# Altium PCB GEM_AFE_128.PcbDoc (part 16 of 18)
Units mm, origin at the board's own origin, x right, y up, seen from the top; angles counter-clockwise.
Board outline 112 x 81.5 mm, 8 copper layers (Top Layer, L1, L2, L3, L4, L5, L6, Bottom Layer), stack 1.52 mm thick; 1880 components, 1258 nets, 6287 pads, 2369 vias.
Unrouted connection lines stored in the file: 4.
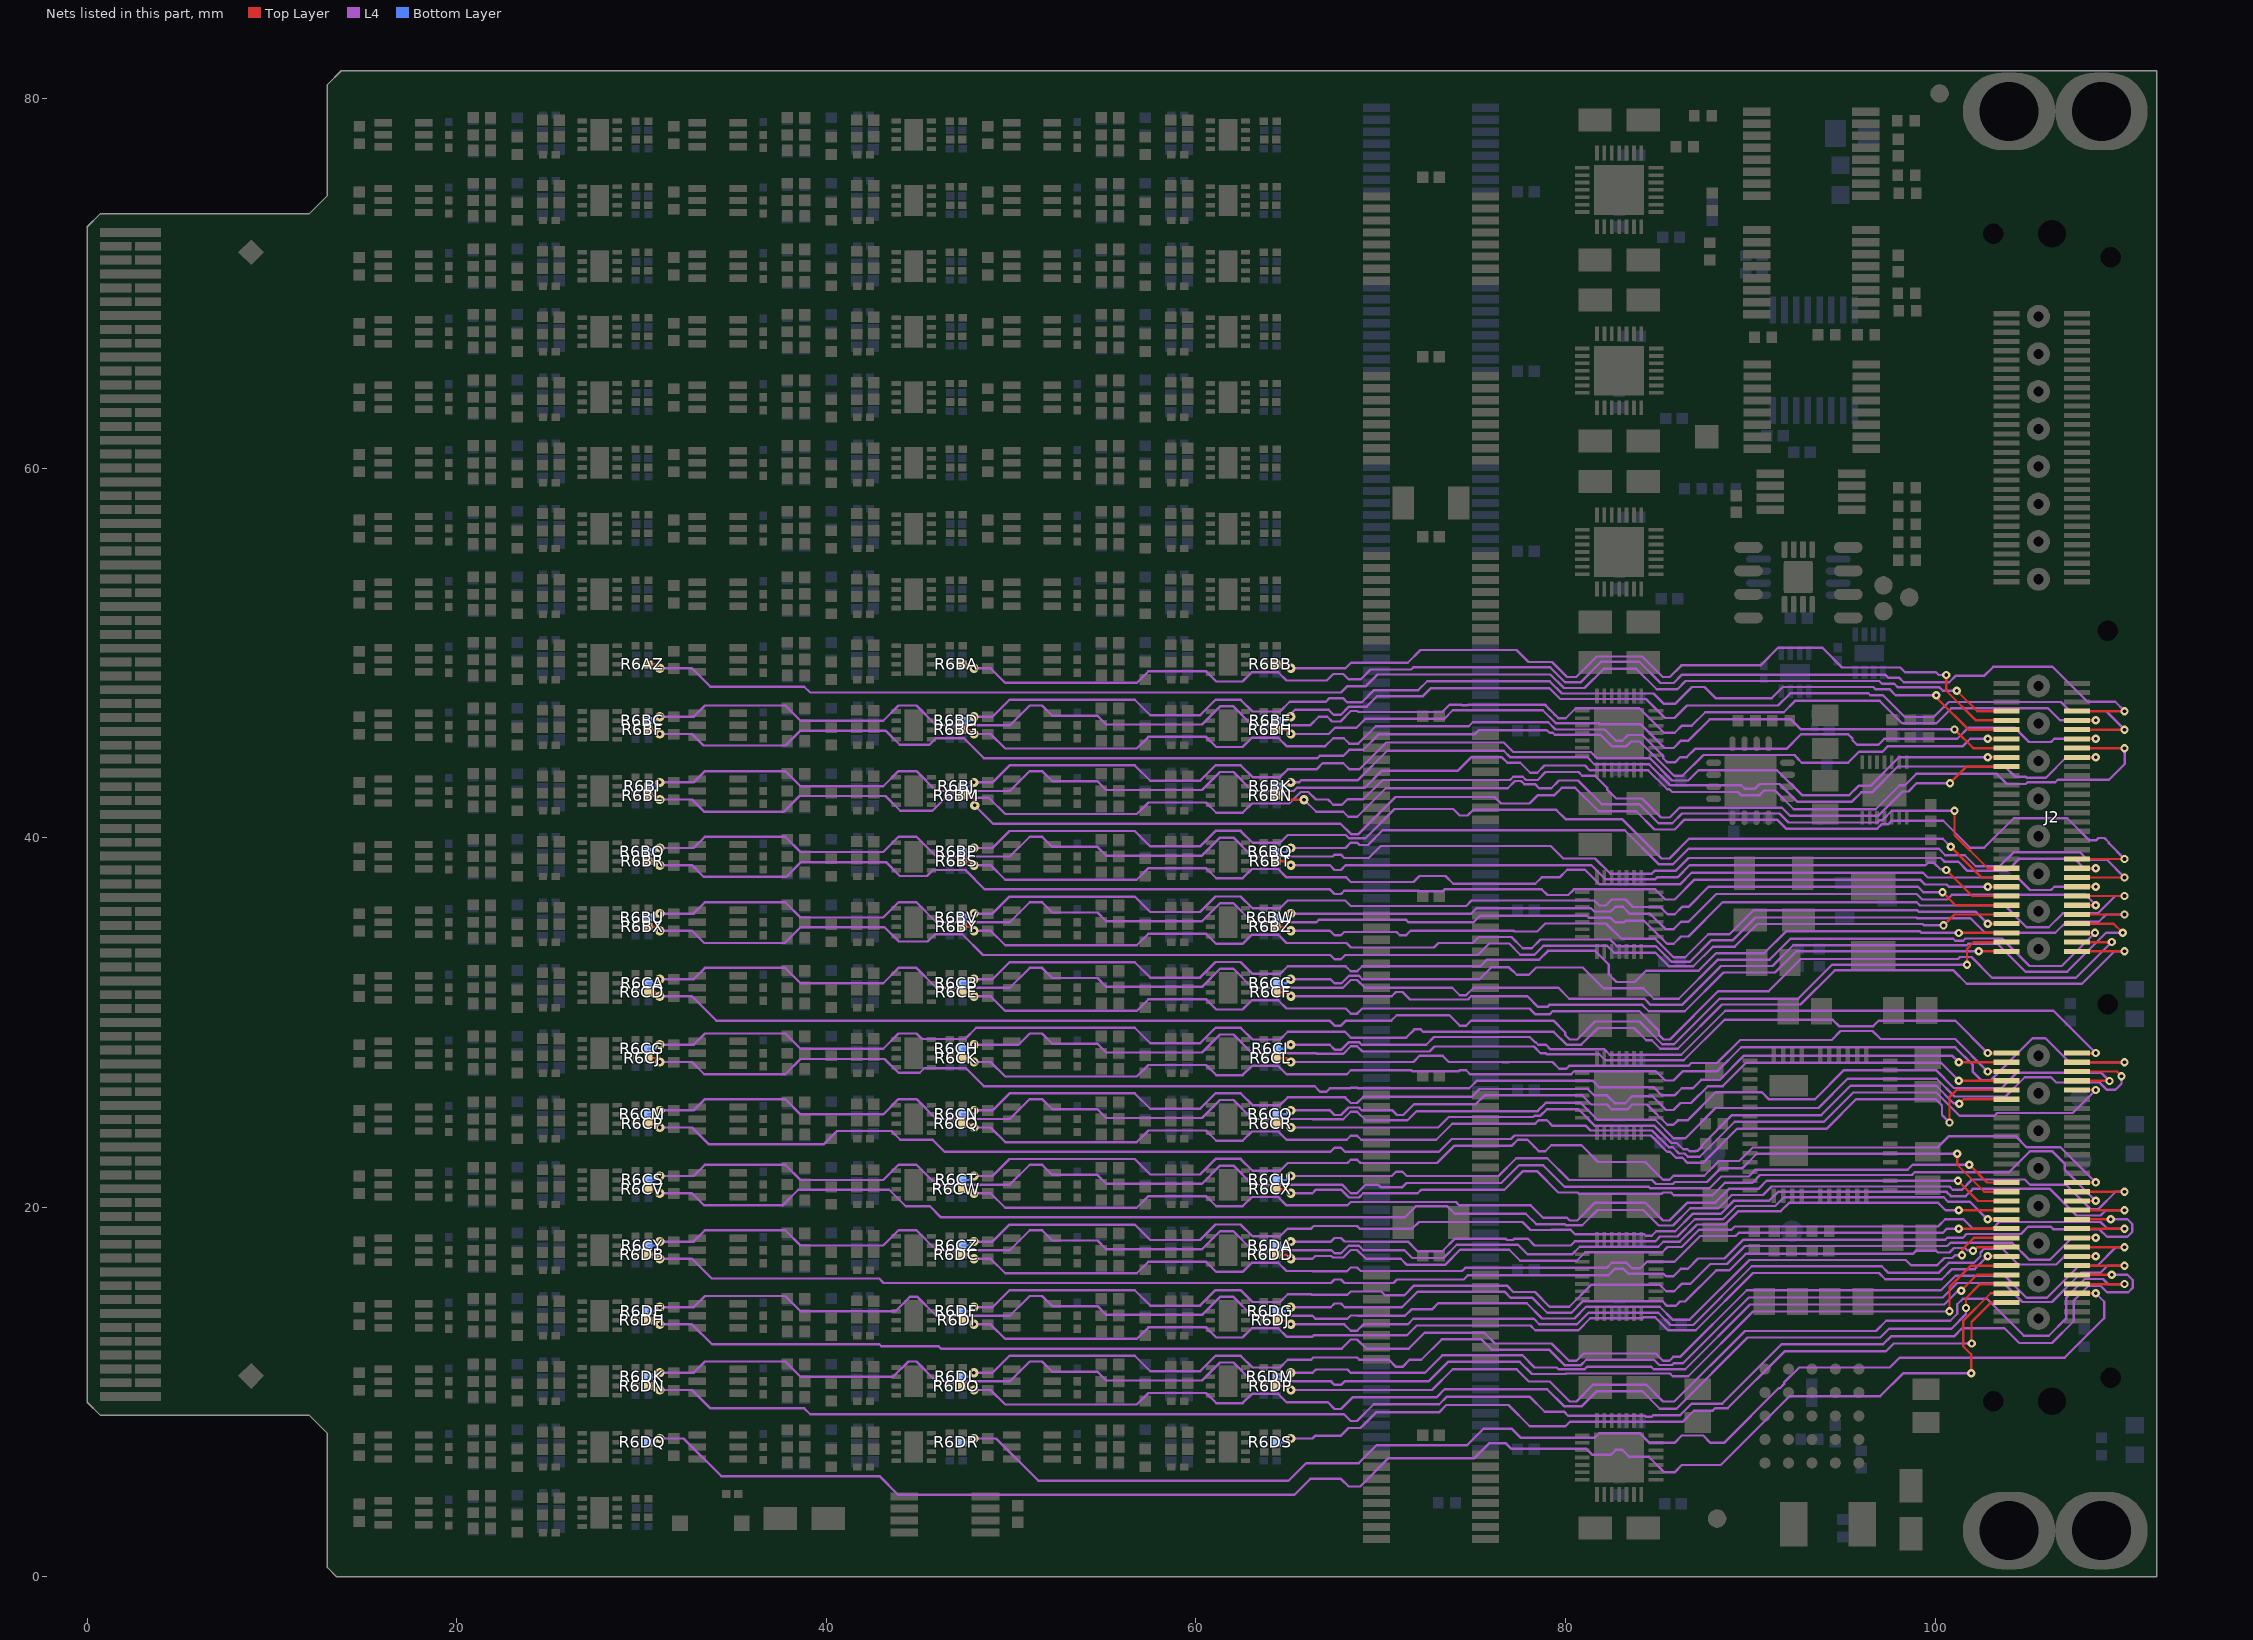
[diagram p22: the nets of this part, all layers, seen from the top]

## Via types
v1: diameter 0.5, hole 0.2, Top Layer to Bottom Layer, tented both sides, 1849 vias
v2: diameter 0.45, hole 0.2, Top Layer to Bottom Layer, tented both sides, 506 vias
v3: diameter 0.45, hole 0.2, Top Layer to Bottom Layer, 14 vias

## Nets (pads, with @x,y where several pads share a name; then routed paths per layer and width w, separated by ;. In a path a pad name is that pad's centre, name@x,y a point inside that pad or via, vN(x,y) a via of type N, cw(c..) or ccw(c..) an arc to the next point about the centre after c; other vN are vias at no path point) (continued)
OUTP51: J2.67 R6AZ.2 | length 76.6
  Top Layer w0.127: R6AZ.2@30.361,49.374 30.736,49.374 30.949,49.161 v1(30.987,49.161) ; v2(101.172,47.949) 102.278,46.844 J2.67@103.861,46.844
  L4 w0.127: v1(30.987,49.161) 32.731,49.161 33.726,48.167 38.808,48.167 39.125,47.85 67.85,47.85 68.2,48.2 69.2,48.2 69.831,48.831 79.176,48.831 79.913,48.093 81.031,48.093 82.069,49.132 83.829,49.132 84.93,48.032 86.05,48.032 86.492,48.474 96.976,48.474 97.121,48.329 97.782,48.329 97.982,48.129 100.237,48.129 100.416,47.949 v2(101.172,47.949)
OUTP52: J2.68 R6BA.2 | length 70.3
  Top Layer w0.127: R6BA.2@47.361,49.374 47.736,49.374 47.949,49.161 v1(47.987,49.161) ; J2.68@107.671,46.844 v2(110.25,46.844)
  L4 w0.127: v1(47.987,49.161) 48.889,49.161 49.675,48.375 56.8,48.375 57.425,49 60.55,49 61.1,48.45 62.525,48.45 63.025,48.95 64.45,48.95 64.9,48.5 67.075,48.5 67.425,48.85 67.975,48.85 68.25,48.575 68.925,48.575 69.45,49.1 71.65,49.1 71.761,49.211 79.167,49.211 79.978,48.4 80.8,48.4 81.912,49.512 83.987,49.512 85.129,48.37 85.851,48.37 86.301,48.819 94.079,48.819 94.088,48.81 94.412,48.81 94.421,48.819 97.281,48.819 97.444,48.656 98.05,48.656 98.297,48.41 100.762,48.41 101.102,48.75 102.65,48.75 103.15,49.25 106.35,49.25 108.25,47.35 109.744,47.35 v2(110.25,46.844)
OUTP53: J2.69 R6BB.2 | length 44.3
  Top Layer w0.127: R6BB.2@64.511,49.374 64.886,49.374 65.099,49.161 v1(65.137,49.161) ; v2(100.6,48.8) 100.6,47.948 102.204,46.344 J2.69@103.861,46.344
  L4 w0.127: v1@64.987,49.161 68.086,49.161 68.39,49.465 71.465,49.465 72.15,50.15 77.35,50.15 78,49.5 79.263,49.5 80.073,48.69 80.573,48.69 81.683,49.8 84.15,49.8 85.26,48.69 85.64,48.69 86.269,49.319 90.548,49.319 91.508,50.28 93.89,50.28 94.966,49.204 98.11,49.204 98.364,48.95 100.044,48.95 100.194,48.8 v2(100.6,48.8)
OUTP54: J2.70 R6BC.2 | length 86.2
  Top Layer w0.127: J2.70@107.671,46.344 108.69,46.344 v2(108.692,46.346)
  L4 w0.127: v1(30.982,46.539) 32.815,46.539 33.427,47.15 37.775,47.15 38.6,46.325 43.075,46.325 43.9,47.15 44.875,47.15 45.95,46.075 49.929,46.075 51.004,47.15 51.675,47.15 52.225,46.6 54.675,46.6 55.15,46.125 60.325,46.125 61.3,47.1 62.025,47.1 63.05,46.075 66.175,46.075 66.643,46.543 67.107,46.543 67.362,46.288 67.815,46.288 68.378,46.851 68.722,46.851 68.778,46.795 73.326,46.795 73.728,47.197 74.351,47.197 74.388,47.16 74.712,47.16 74.749,47.197 78.879,47.197 78.935,47.142 78.935,47.133 79.163,46.904 79.173,46.904 79.373,46.703 79.373,46.697 79.602,46.469 79.608,46.469 79.621,46.456 80.006,46.456 80.55,47 84,47 85.329,45.671 85.905,45.671 86.296,46.062 86.828,46.062 87.554,46.788 91.802,46.788 92.414,47.4 97,47.4 98.212,46.188 100.066,46.188 100.878,47 106.108,47 106.758,46.35 v2@108.692,46.35
  Bottom Layer w0.127: R6BC.2@30.356,46.326 30.732,46.326 30.944,46.539 v1(30.982,46.539)
OUTP55: J2.71 R6BD.2 | length 61.2
  Top Layer w0.127: v2(100.063,47.708) 100.063,47.621 100.169,47.515 100.169,47.48 101.806,45.844 J2.71@103.861,45.844
  L4 w0.127: v1(47.982,46.539) 48.989,46.539 49.909,47.459 56.691,47.459 57.525,46.625 60.224,46.625 61.064,47.466 62.415,47.466 63.056,46.825 64.55,46.825 65.079,47.354 67.029,47.354 67.225,47.55 67.95,47.55 68.183,47.317 68.967,47.317 69.632,47.982 72.032,47.982 72.516,48.466 79.139,48.466 79.805,47.8 84.75,47.8 85.299,47.251 85.951,47.251 86.847,48.147 87.522,48.147 88.119,47.55 91.153,47.55 91.75,48.147 96.653,48.147 96.765,48.035 97.531,48.035 97.859,47.708 v2(100.063,47.708)
  Bottom Layer w0.127: R6BD.2@47.356,46.326 47.732,46.326 47.944,46.539 v1(47.982,46.539)
OUTP56: J2.72 R6BE.2 | length 52.1
  Top Layer w0.127: J2.72@107.671,45.844 v2(110.25,45.844)
  L4 w0.127: v1@64.982,46.539 65.364,46.921 67.179,46.921 67.45,46.65 67.849,46.65 68.287,47.088 69.238,47.088 69.806,47.656 72.288,47.656 72.723,48.091 79.121,48.091 79.712,47.5 84.35,47.5 85.379,46.471 85.891,46.471 86.569,47.15 91.499,47.15 92.164,47.816 96.384,47.816 96.492,47.708 97.17,47.708 98.352,46.526 99.926,46.526 100.738,47.338 106.812,47.338 107.3,46.85 109.244,46.85 v2(110.25,45.844)
  Bottom Layer w0.127: R6BE.2@64.506,46.326 64.882,46.326 65.094,46.539 v1(65.132,46.539)
OUTP57: J2.73 R6BF.2 | length 78.1
  Top Layer w0.127: R6BF.2@30.361,45.824 30.736,45.824 30.949,45.611 v1(30.987,45.611) ; v2(102.84,45.346) 102.842,45.344 J2.73@103.861,45.344
  L4 w0.127: v1(30.987,45.611) 32.731,45.611 33.357,44.986 37.786,44.986 38.575,45.775 43.225,45.775 43.975,45.025 45.575,45.025 45.925,45.375 47.45,45.375 48.525,44.3 66.575,44.3 66.7,44.425 67.975,44.425 68.3,44.75 69.05,44.75 69.9,45.6 75.098,45.6 75.315,45.817 78.983,45.817 79.127,45.673 79.302,45.673 79.41,45.565 81.885,45.565 82.5,44.95 83.3,44.95 83.55,45.2 84.018,45.2 85.874,43.344 86.335,43.344 87.46,44.468 92.382,44.468 92.556,44.294 92.556,44.284 92.785,44.055 95.29,44.055 95.885,44.65 97.15,44.65 97.45,44.95 101.5,44.95 101.896,45.346 v2(102.84,45.346)
OUTP58: J2.74 R6BG.2 | length 67.4
  Top Layer w0.127: R6BG.2@47.361,45.824 47.736,45.824 47.949,45.611 v1(47.987,45.611) ; J2.74@107.671,45.344 108.69,45.344 v2(108.692,45.346)
  L4 w0.127: v1(47.987,45.611) 48.889,45.611 49.675,44.825 56.8,44.825 57.425,45.45 60.55,45.45 61.1,44.9 62.525,44.9 63.025,45.4 64.45,45.4 64.9,44.95 67,44.95 67.425,45.375 68,45.375 68.3,45.075 68.775,45.075 69.731,46.031 74.268,46.031 74.278,46.021 74.622,46.021 74.632,46.031 74.759,46.031 74.973,46.245 79.065,46.245 79.462,45.847 82.124,45.847 82.728,45.243 83.072,45.243 83.379,45.55 84.15,45.55 85.286,44.414 85.286,44.3 85.514,44.071 85.921,44.071 86.2,44.35 86.55,44.35 87,44.8 91.95,44.8 92.745,45.595 95.29,45.595 95.529,45.357 95.529,45.268 95.767,45.03 96.93,45.03 97.25,45.35 101.2,45.35 101.804,45.954 104.296,45.954 105.077,45.173 106.273,45.173 106.446,45.346 v2(108.692,45.346)
OUTP59: J2.75 R6BH.2 | length 42.2
  Top Layer w0.127: R6BH.2@64.511,45.824 64.886,45.824 65.099,45.611 v1(65.137,45.611) ; v2(101.05,45.85) 102.056,44.844 J2.75@103.861,44.844
  L4 w0.127: v1@64.987,45.611 v1(65.137,45.611) 67.186,45.611 67.525,45.95 68.687,45.95 69.161,46.424 73.432,46.424 73.9,46.892 78.77,46.892 79.466,46.197 81.774,46.197 81.828,46.143 84.057,46.143 85.349,44.851 85.851,44.851 86.251,45.251 86.651,45.251 87.8,46.4 92.2,46.4 92.745,45.855 v2@101.05,45.855
OUTP60: J2.76 R6BI.2 | length 90.4
  Top Layer w0.127: J2.76@107.671,44.844 v2(110.25,44.844)
  L4 w0.127: v1(30.982,42.989) 32.815,42.989 33.427,43.6 37.775,43.6 38.6,42.775 43.075,42.775 43.9,43.6 44.875,43.6 45.95,42.525 49.929,42.525 51.004,43.6 51.675,43.6 52.225,43.05 54.675,43.05 55.15,42.575 60.325,42.575 61.3,43.55 62.025,43.55 63.05,42.525 65.297,42.525 65.472,42.7 69.15,42.7 70.075,43.625 74.175,43.625 74.891,44.341 76.559,44.341 76.85,44.05 77.55,44.05 78.094,43.506 78.472,43.506 78.865,43.899 81.051,43.899 81.3,43.65 84.466,43.65 85.499,42.617 85.621,42.617 85.771,42.467 89.333,42.467 89.5,42.3 90.5,42.3 90.75,42.55 91.335,42.55 92.348,41.538 96.788,41.538 98.088,42.838 98.367,42.838 98.979,43.45 103.336,43.45 103.886,42.9 104.9,42.9 105,43 106.5,43 106.636,43.136 109.408,43.136 110.258,43.986 v2@110.258,44.836
  Bottom Layer w0.127: R6BI.2@30.356,42.776 30.732,42.776 30.944,42.989 v1(30.982,42.989)
OUTP61: J2.77 R6BJ.2 | length 61.5
  Top Layer w0.127: v2(102.84,44.346) 102.842,44.344 J2.77@103.861,44.344
  L4 w0.127: v1(47.982,42.989) 48.989,42.989 49.909,43.909 56.691,43.909 57.525,43.075 60.224,43.075 61.064,43.916 62.415,43.916 63.056,43.275 64.55,43.275 64.969,43.694 66.519,43.694 66.85,44.025 67.975,44.025 68.3,43.7 68.85,43.7 70.3,45.15 76.65,45.15 77.167,44.633 81.36,44.633 81.689,44.304 84.551,44.304 85.762,43.093 86.643,43.093 87.2,43.65 91.44,43.65 92.79,42.3 95.35,42.3 95.85,42.8 96.5,42.8 98.046,44.346 v2(102.84,44.346)
  Bottom Layer w0.127: R6BJ.2@47.356,42.776 47.732,42.776 47.944,42.989 v1(47.982,42.989)
OUTP62: J2.78 R6BK.2 | length 49
  Top Layer w0.127: J2.78@107.671,44.344 v2(108.692,44.346) v2(108.692,44.346)
  L4 w0.127: v1@64.982,42.989 65.577,42.989 65.7,43.112 68.762,43.112 70.35,44.7 76.65,44.7 76.995,44.355 81.17,44.355 81.552,43.973 84.522,43.973 85.649,42.846 85.716,42.846 85.723,42.839 89.511,42.839 89.7,42.65 90.25,42.65 90.5,42.9 91.575,42.9 92.525,41.95 95.5,41.95 96,42.45 96.576,42.45 97.976,43.85 103.765,43.85 104.315,43.3 104.9,43.3 104.955,43.245 105.995,43.245 107.096,44.346 v2(108.692,44.346)
  Bottom Layer w0.127: R6BK.2@64.506,42.776 64.882,42.776 65.094,42.989 v1(65.132,42.989)
OUTP63: J2.79 R6BL.2 | length 79.9
  Top Layer w0.127: R6BL.2@30.361,42.274 30.736,42.274 30.949,42.061 v1(30.987,42.061) ; v2(100.8,42.95) 101.694,43.844 J2.79@103.861,43.844
  L4 w0.127: v1(30.987,42.061) 32.731,42.061 33.401,41.391 37.691,41.391 38.55,42.25 43.2,42.25 44,41.45 45.735,41.45 46.444,42.159 48.791,42.159 49.675,41.275 56.8,41.275 57.425,41.9 60.55,41.9 61.1,41.35 62.525,41.35 63.025,41.85 65.05,41.85 65.67,42.47 66.08,42.47 66.489,42.061 67.139,42.061 67.425,41.775 67.9,41.775 68.2,42.075 69.055,42.075 70.102,43.122 77,43.122 77.17,43.293 77.683,43.293 77.854,43.122 78.491,43.122 78.917,43.549 80.701,43.549 80.9,43.35 81.6,43.35 82.25,42.7 82.25,42.609 82.738,42.121 84.129,42.121 85.161,41.089 85.639,41.089 86.171,41.621 91.709,41.621 92.155,41.175 96.901,41.175 98.226,42.5 98.55,42.5 99,42.95 v2(100.8,42.95)
OUTP64: J2.100 R6BM.2 | length 71.7
  Top Layer w0.127: R6BM.2@47.361,42.274 47.861,42.274 48.026,42.109 48.026,41.748 v1(48.031,41.744) ; J2.100@107.671,38.844 v2(110.25,38.844)
  L4 w0.127: v1(48.031,41.744) 49.025,40.75 67.825,40.75 68.386,40.189 68.789,40.189 70.8,42.2 76.15,42.2 76.506,41.844 78.046,41.844 78.502,42.3 79.4,42.3 79.8,42.7 80.518,42.7 81.795,41.423 83.827,41.423 84.807,40.443 85.907,40.443 86.439,40.975 91.441,40.975 91.929,40.487 96.863,40.487 97.094,40.718 97.44,40.718 97.636,40.913 100.437,40.913 101.9,39.45 102.65,39.45 104.25,41.05 107.15,41.05 108.35,39.85 108.707,39.85 108.838,39.981 109.162,39.981 109.39,39.753 109.39,39.704 v2(110.25,38.844)
OUTP65: J2.101 R6BN.2 | length 44.7
  Top Layer w0.127: R6BN.2@64.511,42.274 64.886,42.274 65.11,42.05 65.845,42.05 v1(65.85,42.055) ; v2(101.05,41.45) 101.05,40.136 102.842,38.344 J2.101@103.861,38.344
  L4 w0.127: v1(65.85,42.055) 66.505,41.4 67.975,41.4 68.245,41.13 68.73,41.13 70.274,42.674 76.875,42.674 77.265,43.064 77.588,43.064 77.759,42.893 78.348,42.893 78.568,42.674 79.224,42.674 79.639,43.089 80.679,43.089 81.956,41.812 83.988,41.812 85.025,40.775 85.769,40.775 86.301,41.307 91.579,41.307 92.066,40.819 96.872,40.819 96.999,40.947 97.147,40.947 97.655,41.455 101.045,41.455 v2(101.05,41.45)
OUTP66: J2.102 R6BO.2 | length 84.7
  Top Layer w0.127: J2.102@107.671,38.344 108.69,38.344 v2(108.692,38.346)
  L4 w0.127: v1(30.982,39.439) 32.815,39.439 33.427,40.05 37.775,40.05 38.6,39.225 43.075,39.225 43.9,40.05 44.875,40.05 45.95,38.975 49.929,38.975 51.004,40.05 51.675,40.05 52.225,39.5 54.675,39.5 55.15,39.025 60.325,39.025 61.3,40 62.025,40 63.05,38.975 67.399,38.975 67.503,39.079 67.847,39.079 68.027,38.899 68.6,38.899 ; 68.601,38.9 69.35,38.9 69.999,39.549 79.201,39.549 79.877,38.873 81.592,38.873 82.414,38.051 84.66,38.051 84.809,38.2 85.95,38.2 86.65,38.9 100.3,38.9 100.5,38.7 101.25,38.7 101.75,38.2 103.895,38.2 104.559,38.864 107.536,38.864 108.054,38.346 v2(108.692,38.346)
  Bottom Layer w0.127: R6BO.2@30.356,39.226 30.732,39.226 30.944,39.439 v1(30.982,39.439)
OUTP67: J2.103 R6BP.2 | length 61.5
  Top Layer w0.127: v2(100.85,39.5) 102.506,37.844 J2.103@103.861,37.844
  L4 w0.127: v1(47.982,39.439) 48.989,39.439 49.909,40.359 56.691,40.359 57.525,39.525 60.224,39.525 61.064,40.366 62.415,40.366 63.056,39.725 64.55,39.725 64.969,40.144 68.107,40.144 68.291,39.961 69.161,39.961 70.75,41.55 73.921,41.55 74.277,41.194 74.694,41.194 75,41.5 79.5,41.5 80,41 83.058,41 85.185,38.873 85.621,38.873 86.685,39.938 100.412,39.938 v2(100.85,39.5)
  Bottom Layer w0.127: R6BP.2@47.356,39.226 47.732,39.226 47.944,39.439 v1(47.982,39.439)
OUTP68: J2.104 R6BQ.2 | length 51.4
  Top Layer w0.127: J2.104@107.671,37.844 v2(110.25,37.844)
  L4 w0.127: v1@64.982,39.439 v1(65.132,39.439) 68.087,39.439 68.378,39.729 68.722,39.729 68.85,39.601 69.301,39.601 70.1,40.4 83.2,40.4 85.05,38.55 85.8,38.55 86.65,39.4 100.2,39.4 100.55,39.05 101.6,39.05 102.197,38.453 103.489,38.453 104.236,39.2 107.85,39.2 108.25,38.8 109.294,38.8 v2(110.25,37.844)
  Bottom Layer w0.127: R6BQ.2@64.506,39.226 64.882,39.226 65.094,39.439 v1(65.132,39.439)
OUTP69: J2.105 R6BR.2 | length 76.4
  Top Layer w0.127: R6BR.2@30.361,38.724 30.736,38.724 30.949,38.511 v1(30.987,38.511) ; v2(102.84,37.346) 102.842,37.344 J2.105@103.861,37.344
  L4 w0.127: v1(30.987,38.511) 32.731,38.511 33.368,37.875 37.825,37.875 38.625,38.675 43.225,38.675 43.975,37.925 45.45,37.925 45.775,38.25 47.525,38.25 48.575,37.2 67.252,37.2 67.503,36.949 67.847,36.949 68.027,37.129 72.064,37.129 72.102,37.092 73.345,37.092 73.454,37.2 78.715,37.2 79.015,36.899 80.149,36.899 80.45,37.2 84.85,37.2 85.396,36.654 85.904,36.654 86.979,37.729 99.183,37.729 99.445,37.467 100.619,37.467 100.741,37.346 v2(102.84,37.346)
OUTP70: J2.106 R6BS.2 | length 65.4
  Top Layer w0.127: R6BS.2@47.361,38.724 47.736,38.724 47.949,38.511 v1(47.987,38.511) ; J2.106@107.671,37.344 108.69,37.344 v2(108.692,37.346)
  L4 w0.127: v1(47.987,38.511) 48.889,38.511 49.675,37.725 56.8,37.725 57.425,38.35 60.55,38.35 61.1,37.8 62.525,37.8 63.025,38.3 64.45,38.3 64.9,37.85 68.127,37.85 68.378,37.599 71.779,37.599 72.102,37.922 73.506,37.922 73.927,37.5 78.363,37.5 78.713,37.85 79.677,37.85 80.093,38.266 81.05,38.266 81.846,37.471 86.191,37.471 86.82,38.1 99.337,38.1 99.599,37.838 104.462,37.838 105.137,37.163 106.263,37.163 106.446,37.346 v2(108.692,37.346)
OUTP71: J2.107 R6BT.2 | length 41.2
  Top Layer w0.127: R6BT.2@64.511,38.724 64.886,38.724 65.099,38.511 v1(65.137,38.511) ; v2(100.6,38.25) 102.006,36.844 J2.107@103.861,36.844
  L4 w0.127: v1@64.987,38.511 v1(65.137,38.511) 67.241,38.511 67.503,38.249 67.847,38.249 68.109,38.511 81.389,38.511 82.143,37.757 84.857,37.757 84.95,37.85 86.053,37.85 86.703,38.5 99.469,38.5 99.602,38.633 99.945,38.633 100.297,38.281 100.569,38.281 v2(100.6,38.25)
OUTP72: J2.108 R6BU.2 | length 88.8
  Top Layer w0.127: J2.108@107.671,36.844 v2(110.25,36.844)
  L4 w0.127: v1(30.982,35.889) 32.815,35.889 33.427,36.5 37.775,36.5 38.6,35.675 43.075,35.675 43.9,36.5 44.875,36.5 45.95,35.425 49.929,35.425 51.004,36.5 51.675,36.5 52.225,35.95 54.675,35.95 55.15,35.475 60.325,35.475 61.3,36.45 62.025,36.45 63.05,35.425 66.525,35.425 66.647,35.547 71.372,35.547 71.494,35.425 75.025,35.425 75.373,35.773 81.145,35.773 81.251,35.667 82.433,35.667 82.674,35.426 83.176,35.426 83.25,35.5 84.241,35.5 85.487,34.254 85.854,34.254 86.25,34.65 86.65,34.65 88.5,36.5 99,36.5 99.177,36.323 103.777,36.323 104.95,35.15 106.15,35.15 106.9,35.9 108.8,35.9 109.744,36.844 v2(110.25,36.844)
  Bottom Layer w0.127: R6BU.2@30.356,35.676 30.732,35.676 30.944,35.889 v1(30.982,35.889)
OUTP73: J2.109 R6BV.2 | length 60
  Top Layer w0.127: v2(100.4,37.05) 101.106,36.344 J2.109@103.861,36.344
  L4 w0.127: v1(47.982,35.889) 48.989,35.889 49.909,36.809 56.691,36.809 57.525,35.975 60.224,35.975 61.064,36.816 62.415,36.816 63.056,36.175 64.55,36.175 64.969,36.594 68.083,36.594 68.378,36.299 74.622,36.299 74.917,36.594 81.556,36.594 81.824,36.326 82.172,36.326 82.496,36.65 83.25,36.65 83.65,36.25 85.118,36.25 85.514,35.854 85.905,35.854 86.305,36.254 86.654,36.254 87.737,37.337 99.063,37.337 99.35,37.05 v2(100.4,37.05)
  Bottom Layer w0.127: R6BV.2@47.356,35.676 47.732,35.676 47.944,35.889 v1(47.982,35.889)
OUTP74: J2.110 R6BW.2 | length 47.5
  Top Layer w0.127: J2.110@107.671,36.344 108.69,36.344 v2(108.692,36.346)
  L4 w0.127: v1@64.982,35.889 v1(65.132,35.889) 74.897,35.889 75.196,36.188 81.362,36.188 81.55,36 82.45,36 82.706,36.256 83.094,36.256 83.467,35.883 84.567,35.883 85.4,35.05 85.85,35.05 86.25,35.45 86.65,35.45 88.152,36.952 98.998,36.952 99.3,36.65 100.65,36.65 100.906,36.906 108.132,36.906 v2(108.692,36.346)
  Bottom Layer w0.127: R6BW.2@64.506,35.676 64.882,35.676 65.094,35.889 v1(65.132,35.889)
OUTP75: J2.111 R6BX.2 | length 77.8
  Top Layer w0.127: R6BX.2@30.361,35.174 30.736,35.174 30.949,34.961 v1(30.987,34.961) ; v2(100.45,35.25) 101.044,35.844 J2.111@103.861,35.844
  L4 w0.127: v1(30.987,34.961) 32.731,34.961 33.393,34.3 37.75,34.3 38.6,35.15 43.15,35.15 43.925,34.375 45.475,34.375 45.875,34.775 47.35,34.775 48.475,33.65 67.268,33.65 67.502,33.417 67.845,33.417 68.079,33.65 75.25,33.65 75.869,34.269 76.948,34.269 77.552,33.665 78.314,33.665 78.799,34.15 82.25,34.15 82.633,33.768 84.863,33.768 85.592,33.039 86.91,33.039 87.971,34.1 89.146,34.1 90.373,35.326 99.324,35.326 99.4,35.25 v2(100.45,35.25)
OUTP76: J2.112 R6BY.2 | length 69.8
  Top Layer w0.127: R6BY.2@47.361,35.174 47.736,35.174 47.949,34.961 v1(47.987,34.961) ; J2.112@107.671,35.844 v2(110.25,35.844)
  L4 w0.127: v1(47.987,34.961) 48.889,34.961 49.675,34.175 56.8,34.175 57.425,34.8 60.55,34.8 61.1,34.25 62.525,34.25 63.025,34.75 64.45,34.75 64.9,34.3 68.143,34.3 68.386,34.057 72.883,34.057 73.126,34.3 74.981,34.3 75.303,34.622 77.077,34.622 77.683,34.016 78.166,34.016 78.639,34.489 82.41,34.489 82.779,34.12 84.895,34.12 85.735,33.281 86.731,33.281 87.903,34.453 89.053,34.453 90.279,35.679 99,35.679 99.039,35.64 101.91,35.64 102.7,34.85 106.5,34.85 107.1,35.45 108.85,35.45 109.244,35.844 v2(110.25,35.844)
OUTP77: J2.113 R6BZ.2 | length 42.3
  Top Layer w0.127: R6BZ.2@64.511,35.174 64.886,35.174 65.099,34.961 v1(65.137,34.961) ; v2(102.84,35.346) 102.842,35.344 J2.113@103.861,35.344
  L4 w0.127: v1@64.987,34.961 v1(65.137,34.961) 67.257,34.961 67.502,34.717 67.845,34.717 68.026,34.897 70.848,34.897 71.028,34.717 71.372,34.717 71.617,34.961 77.191,34.961 77.228,34.924 78.472,34.924 78.898,35.35 81.822,35.35 81.828,35.356 82.194,35.356 83.024,34.526 84.847,34.526 85.846,33.527 86.477,33.527 87.716,34.766 88.871,34.766 90.181,36.076 99.024,36.076 99.118,35.982 102.204,35.982 v2(102.84,35.346)
OUTP78: J2.114 R6CA.2 | length 89.6
  Top Layer w0.127: J2.114@107.671,35.344 109.652,35.344 v2(110.146,34.85)
  L4 w0.127: v1(30.982,32.339) 32.815,32.339 33.427,32.95 37.775,32.95 38.6,32.125 43.075,32.125 43.9,32.95 44.875,32.95 45.95,31.875 49.929,31.875 51.004,32.95 51.675,32.95 52.225,32.4 54.675,32.4 55.15,31.925 60.325,31.925 61.3,32.9 62.025,32.9 63.05,31.875 67.955,31.875 68.377,32.297 68.72,32.297 69.142,31.875 73.868,31.875 74.277,31.467 74.62,31.467 75.029,31.875 79.611,31.875 80.204,31.282 84.268,31.282 84.6,30.95 86.305,30.95 88.405,33.05 91.195,33.05 92.323,34.178 101.71,34.178 101.787,34.255 103.373,34.255 104.886,32.741 107.141,32.741 109.25,34.85 v2(110.146,34.85)
  Bottom Layer w0.127: R6CA.2@30.356,32.126 30.732,32.126 30.944,32.339 v1(30.982,32.339)
OUTP79: J2.115 R6CB.2 | length 60.9
  Top Layer w0.127: v2(101.282,34.844) J2.115@103.861,34.844
  L4 w0.127: v1(47.982,32.339) 48.989,32.339 49.909,33.259 56.691,33.259 57.525,32.425 60.224,32.425 61.064,33.266 62.415,33.266 63.056,32.625 64.55,32.625 64.969,33.044 68.099,33.044 68.377,32.767 68.72,32.767 68.998,33.044 75.394,33.044 75.75,33.4 78.575,33.4 79.045,33.87 81.603,33.87 82.336,33.136 82.336,32.605 82.751,32.191 83.741,32.191 84.35,32.8 87.2,32.8 88.15,33.75 90.75,33.75 91.926,34.926 99.174,34.926 99.256,34.844 v2(101.282,34.844)
  Bottom Layer w0.127: R6CB.2@47.356,32.126 47.732,32.126 47.944,32.339 v1(47.982,32.339)
OUTP80: J2.116 R6CC.2 | length 49.7
  Top Layer w0.127: J2.116@107.671,34.844 107.674,34.847 108.647,34.847 v2(108.65,34.85)